# Altium PCB PCB2.PcbDoc (part 13 of 16) (continued)
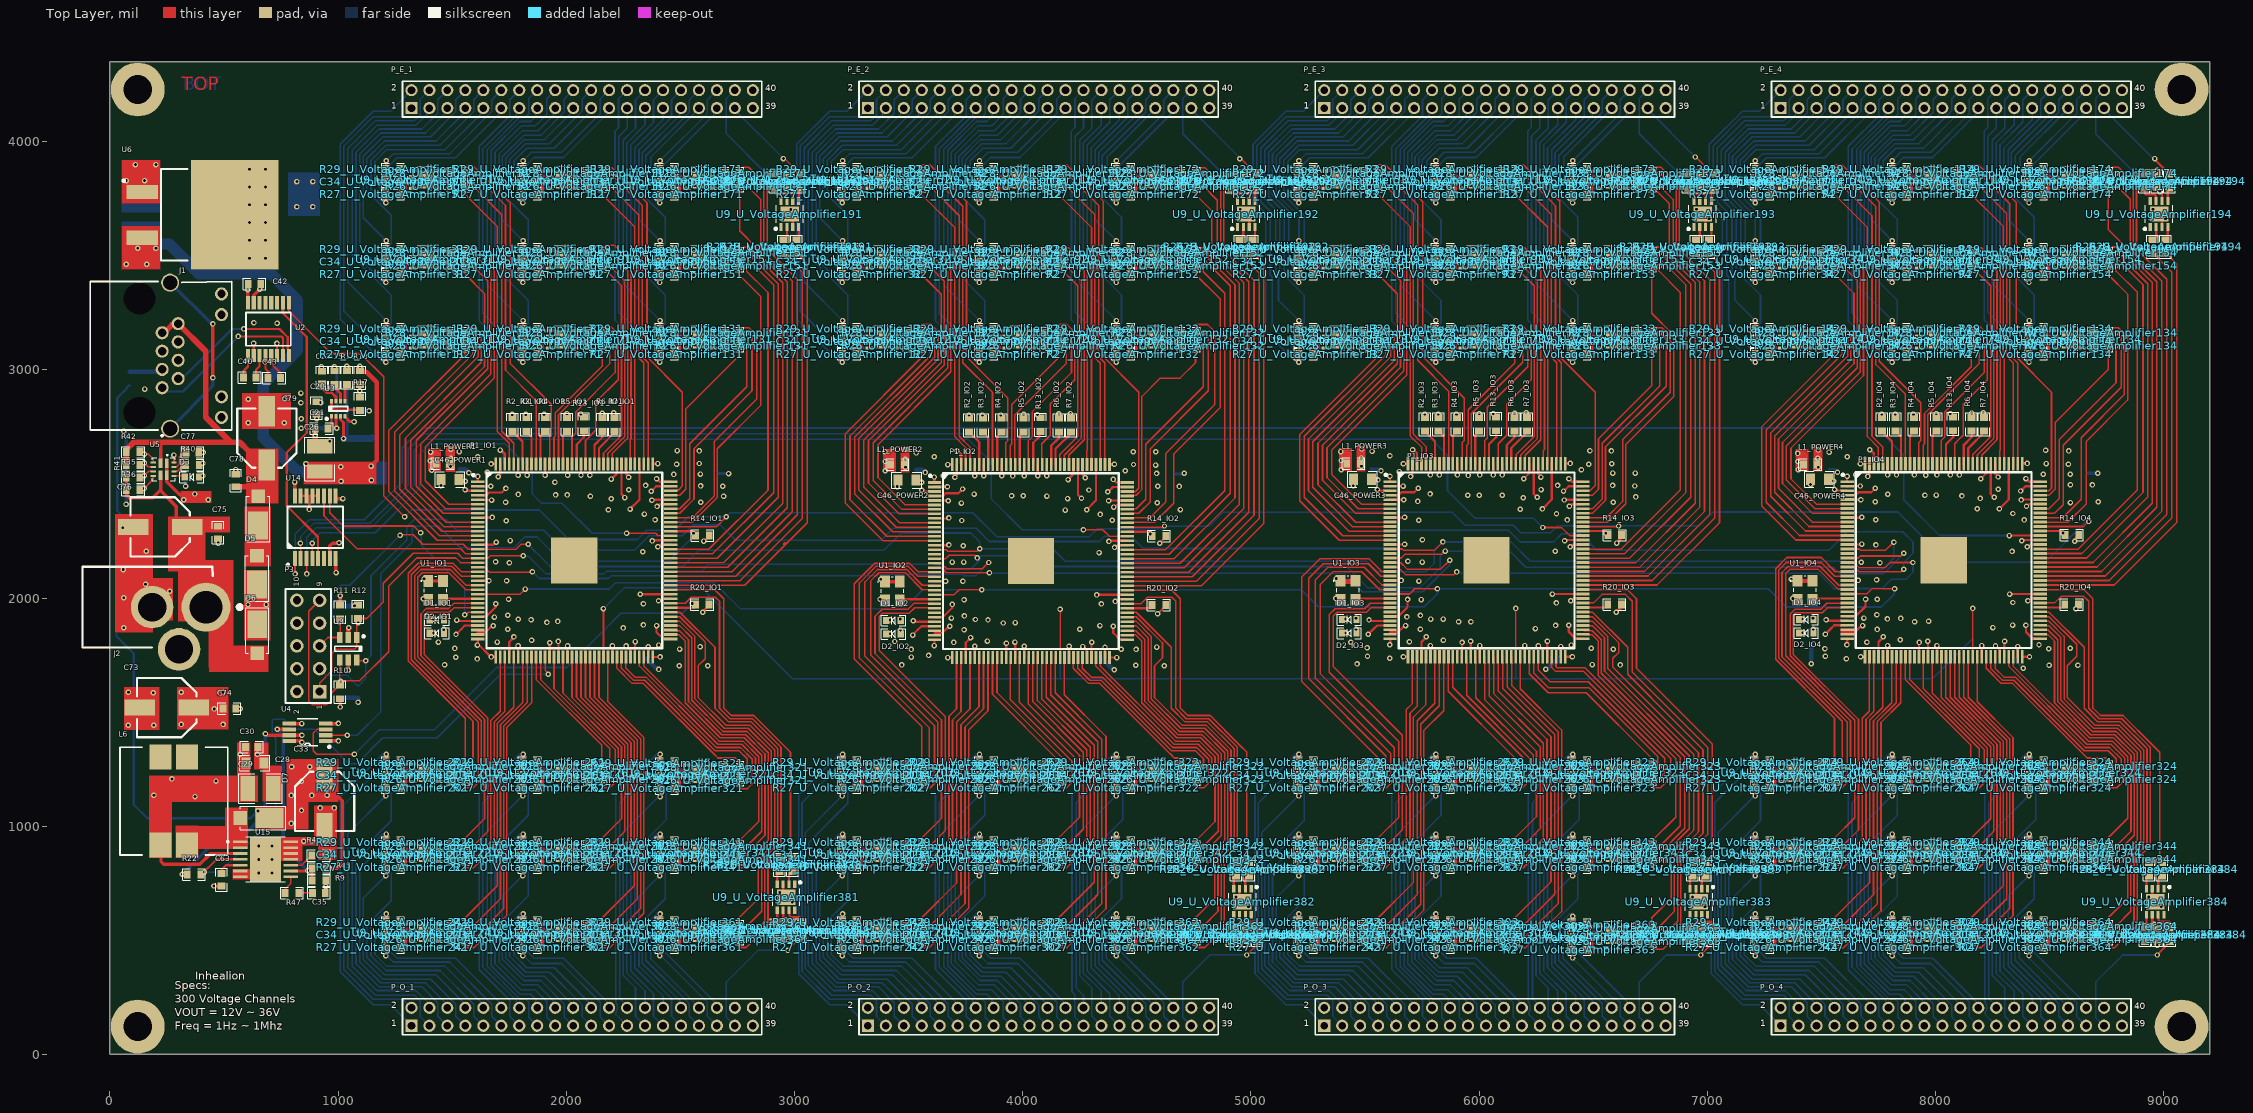
[diagram p0: Top Layer view]
## Nets (pads, with @x,y where several pads share a name; then routed paths per layer and width w, separated by ;. In a path a pad name is that pad's centre, name@x,y a point inside that pad or via, vN(x,y) a via of type N, cw(c..) or ccw(c..) an arc to the next point about the centre after c; other vN are vias at no path point) (continued)
  Top Layer w10: R29_U_VoltageAmplifier323.2@6410.09,1279.18 6410.55,1279.64 v1(6410.55,1315.72)
  Bottom Layer w7: P_O_3.25@6266.14,125.59 6217.32,174.41 6217.32,182.43 ccw(c6187.4,204.33) 6224.48,204.33 ccw(c6179.5,204.33) 6215.79,230.89 6215.79,1135.06 6396.03,1315.29 6406.38,1315.29 v1@6409.63,1318.54
V_OUT215: P_O_3.26 R27_U_VoltageAmplifier333.2 | length 1161.3
  Bottom Layer w7: P_O_3.26@6266.14,204.33 6266.14,212.98 6234.12,245 6234.12,1103.54 R27_U_VoltageAmplifier333.2@6410.09,1279.5
V_OUT216: P_O_3.28 R29_U_VoltageAmplifier333.2 | length 1081.7
  Bottom Layer w7: P_O_3.28@6344.88,204.33 6344.88,277.7 6265.48,357.1 6265.48,856.21 6438.69,1029.42 6438.69,1140.9 R29_U_VoltageAmplifier333.2@6410.09,1169.5
V_OUT217: P_O_3.31 R27_U_VoltageAmplifier343.2 | length 811
  Top Layer w10: v1(6409.63,782.64) 6409.63,818.72 R27_U_VoltageAmplifier343.2@6410.09,819.18
  Bottom Layer w7: v1@6410.55,785.46 6318.31,693.22 6318.31,387.39 6460.7,245 6460.7,167.26 P_O_3.31@6502.36,125.59
V_OUT218: P_O_3.29 R29_U_VoltageAmplifier343.2 | length 996.8
  Top Layer w10: R29_U_VoltageAmplifier343.2@6410.09,929.18 6410.55,929.64 v1(6410.55,965.72)
  Bottom Layer w7: v1@6409.63,968.54 6406.38,965.29 6396.03,965.29 6282.57,851.84 6282.57,365.64 6381.96,266.26 6381.96,167.26 P_O_3.29@6423.62,125.59
V_OUT219: P_O_3.30 R27_U_VoltageAmplifier353.2 | length 824.8
  Bottom Layer w7: R27_U_VoltageAmplifier353.2@6410.09,932 6410.09,929.5 6299.66,819.08 6299.66,379.62 6423.62,255.66 P_O_3.30@6423.62,204.33
V_OUT220: P_O_3.32 R29_U_VoltageAmplifier353.2 | length 739.3
  Bottom Layer w7: R29_U_VoltageAmplifier353.2@6410.09,822 6410.09,819.5 6433.05,796.54 6433.05,682.36 6332.31,581.62 6332.31,399.81 6495.86,236.26 6495.86,210.84 P_O_3.32@6502.36,204.33
V_OUT221: P_O_3.35 R27_U_VoltageAmplifier363.2 | length 445.5
  Top Layer w10: v1(6409.63,422.64) 6409.63,458.72 R27_U_VoltageAmplifier363.2@6410.09,459.18
  Bottom Layer w7: v1(6409.63,422.64) 6587.1,245.17 6600.84,245.17 6618.18,227.83 6618.18,167.26 P_O_3.35@6659.84,125.59
V_OUT222: P_O_3.33 R29_U_VoltageAmplifier363.2 | length 657.3
  Top Layer w10: R29_U_VoltageAmplifier363.2@6410.09,569.18 6410.55,569.64 v1(6410.55,605.72)
  Bottom Layer w7: 6409.63,618.54 6406.38,615.29 6396.03,615.29 6348.6,567.87 6348.6,413.03 6539.44,222.19 6539.44,167.26 P_O_3.33@6581.1,125.59
V_OUT223: P_O_3.34 R27_U_VoltageAmplifier373.2 | length 482
  Bottom Layer w7: R27_U_VoltageAmplifier373.2@6410.09,579.5 6366.68,536.09 6366.68,422.15 6581.1,207.72 P_O_3.34@6581.1,204.33
V_OUT224: P_O_3.36 R29_U_VoltageAmplifier373.2 | length 357.4
  Bottom Layer w7: R29_U_VoltageAmplifier373.2@6410.09,472 6410.09,469.5 6651.01,228.57 6651.01,225.65 6656.92,219.74 P_O_3.36@6659.84,219.74
V_OUT225: P_O_3.37 R27_U_VoltageAmplifier383.2 | length 608.3
  Top Layer w7: v1@6971.26,437.09 R27_U_VoltageAmplifier383.2@7028.13,493.96
  Top Layer w10: v1(6971.26,435.59) v1@6971.26,437.09 ; R27_U_VoltageAmplifier383.2@7027.67,494.42 R27_U_VoltageAmplifier383.2@7028.13,493.96
  Bottom Layer w7: P_O_3.37@6738.58,125.59 6701.51,162.67 6701.51,317.16 6819.94,435.59 v1(6971.26,435.59)
V_OUT226: P_E_4.2 R27_U_VoltageAmplifier14.2 | length 1492.2
  Top Layer w10: v1(7209.63,3032.64) 7209.63,3068.72 R27_U_VoltageAmplifier14.2@7210.09,3069.18
  Bottom Layer w7: v1(7209.63,3032.64) 7206.38,3035.89 7196.03,3035.89 7064.82,3167.1 7064.82,3659.77 7009,3715.59 7009,3988.52 7153.96,4133.48 7229.15,4133.48 P_E_4.2@7321.26,4225.59
V_OUT227: P_E_4.4 R29_U_VoltageAmplifier14.2 | length 1364.1
  Top Layer w10: R29_U_VoltageAmplifier14.2@7210.09,3179.18 7210.55,3179.64 v1(7210.55,3215.72)
  Bottom Layer w7: v1(7210.55,3215.72) 7120.97,3305.3 7120.97,3414.11 7108.37,3426.7 7108.37,3671.1 7042.78,3736.69 7042.78,3971.19 7163.71,4092.12 7334.53,4092.12 7359.19,4116.78 7359.19,4184.78 P_E_4.4@7400,4225.59
V_OUT228: P_E_4.3 R27_U_VoltageAmplifier24.2 | length 1289.1
  Bottom Layer w7: R27_U_VoltageAmplifier24.2@7210.09,3179.18 7210.09,3181.68 7233.05,3204.64 7233.05,3327.4 7127.13,3433.32 7127.13,3683.2 7060.97,3749.35 7060.97,3962.66 7169.36,4071.05 7340.45,4071.05 7391.17,4121.76 7391.17,4138.02 P_E_4.3@7400,4146.85
V_OUT229: P_E_4.1 R29_U_VoltageAmplifier24.2 | length 1352.6
  Bottom Layer w7: R29_U_VoltageAmplifier24.2@7210.09,3069.18 7210.09,3071.68 7093.72,3188.05 7093.72,3405.59 7085.39,3413.92 7085.39,3664.44 7025.46,3724.37 7025.46,3980.72 7154.34,4109.61 7284.01,4109.61 P_E_4.1@7321.26,4146.85
V_OUT230: P_E_4.6 R27_U_VoltageAmplifier34.2 | length 1216.1
  Top Layer w10: v1(7209.63,3382.64) 7209.63,3418.72 R27_U_VoltageAmplifier34.2@7210.09,3419.18
  Bottom Layer w7: v1(7209.63,3382.64) 7206.38,3385.89 7196.03,3385.89 7145.88,3436.04 7145.88,3690.45 7078.3,3758.03 7078.3,3953.87 7179.54,4055.11 7367.52,4055.11 7437.07,4124.67 7437.07,4183.93 P_E_4.6@7478.74,4225.59
V_OUT231: P_E_4.8 R29_U_VoltageAmplifier34.2 | length 1046.1
  Top Layer w10: R29_U_VoltageAmplifier34.2@7210.09,3529.18 7210.55,3529.64 v1(7210.55,3565.72)
  Bottom Layer w7: v1(7210.55,3565.72) 7210.55,3671.96 7110.35,3772.15 7110.35,3935.68 7196.37,4021.69 7406.01,4021.69 7515.81,4131.49 7515.81,4183.93 P_E_4.8@7557.48,4225.59
V_OUT232: P_E_4.7 R27_U_VoltageAmplifier44.2 | length 982.6
  Bottom Layer w7: R27_U_VoltageAmplifier44.2@7210.09,3529.18 7210.09,3531.68 7233.05,3554.64 7233.05,3677.4 7125.95,3784.5 7125.95,3925.28 7203.33,4002.66 7429.28,4002.66 7548.65,4122.04 7548.65,4138.02 P_E_4.7@7557.48,4146.85
V_OUT233: P_E_4.5 R29_U_VoltageAmplifier44.2 | length 1049.9
  Bottom Layer w7: R29_U_VoltageAmplifier44.2@7210.09,3419.18 7210.09,3421.68 7165.42,3466.35 7165.42,3694.51 7094.76,3765.17 7094.76,3946.07 7186.32,4037.63 7383.33,4037.63 7466.43,4120.73 7466.43,4122.05 7478.74,4134.36 P_E_4.5@7478.74,4146.85
V_OUT234: P_E_4.10 R27_U_VoltageAmplifier54.2 | length 905.7
  Top Layer w10: v1(7209.63,3732.64) 7209.63,3768.72 R27_U_VoltageAmplifier54.2@7210.09,3769.18
  Bottom Layer w7: v1(7209.63,3732.64) 7206.38,3735.89 7196.03,3735.89 7144.14,3787.78 7144.14,3918.35 7209.43,3983.64 7446.7,3983.64 7594.56,4131.49 7594.56,4183.93 P_E_4.10@7636.22,4225.59
V_OUT235: P_E_4.12 R29_U_VoltageAmplifier54.2 | length 700.2
  Top Layer w10: R29_U_VoltageAmplifier54.2@7210.09,3879.18 7210.55,3879.64 v1(7210.55,3915.72)
  Bottom Layer w7: v1(7210.55,3915.72) 7240.93,3946.11 7487.91,3946.11 7673.3,4131.49 7673.3,4183.93 P_E_4.12@7714.96,4225.59
V_OUT236: P_E_4.11 R27_U_VoltageAmplifier64.2 | length 627.1
  Bottom Layer w7: R27_U_VoltageAmplifier64.2@7210.09,3879.18 7210.09,3881.68 7257.9,3929.5 7514.49,3929.5 7706.13,4121.14 7706.13,4138.02 P_E_4.11@7714.96,4146.85
V_OUT237: P_E_4.9 R29_U_VoltageAmplifier64.2 | length 744.5
  Bottom Layer w7: R29_U_VoltageAmplifier64.2@7210.09,3769.18 7210.09,3771.68 7161.46,3820.3 7161.46,3913.15 7212.42,3964.11 7468.64,3964.11 7624.59,4120.05 7624.59,4122.73 7636.22,4134.36 P_E_4.9@7636.22,4146.85
V_OUT238: P_E_4.14 R27_U_VoltageAmplifier74.2 | length 1387.9
  Top Layer w10: v1(7809.63,3032.64) 7809.63,3068.72 R27_U_VoltageAmplifier74.2@7810.09,3069.18
  Bottom Layer w7: P_E_4.14@7793.7,4225.59 7752.04,4183.93 7752.04,4113.87 7617.95,3979.78 7617.95,3213.97 7796.03,3035.89 7806.38,3035.89 v1(7809.63,3032.64)
V_OUT239: P_E_4.16 R29_U_VoltageAmplifier74.2 | length 1216.5
  Top Layer w10: R29_U_VoltageAmplifier74.2@7810.09,3179.18 7810.55,3179.64 v1(7810.55,3215.72)
  Bottom Layer w7: v1(7810.55,3215.72) 7654.17,3372.1 7654.17,3965.78 7796.31,4107.93 7821.41,4107.93 7835.37,4121.88 7835.37,4188.52 P_E_4.16@7872.44,4225.59
V_OUT240: P_E_4.15 R27_U_VoltageAmplifier84.2 | length 1145
  Bottom Layer w7: R27_U_VoltageAmplifier84.2@7810.09,3179.18 7810.09,3181.68 7833.05,3204.64 7833.05,3303.7 7671.17,3465.57 7671.17,3962.17 7797.02,4088.02 7843.69,4088.02 7865.44,4109.78 P_E_4.15@7865.44,4139.85
V_OUT241: P_E_4.13 R29_U_VoltageAmplifier84.2 | length 1216.6
  Bottom Layer w7: P_E_4.13@7793.7,4146.85 7793.7,4134.36 7781.41,4122.07 7781.41,4115.19 7634.21,3967.99 7634.21,3247.56 7810.09,3071.68 R29_U_VoltageAmplifier84.2@7810.09,3069.18
V_OUT242: P_E_4.18 R27_U_VoltageAmplifier94.2 | length 1081.8
  Top Layer w10: v1(7809.63,3382.64) 7809.63,3418.72 R27_U_VoltageAmplifier94.2@7810.09,3419.18
  Bottom Layer w7: v1(7809.63,3382.64) 7806.38,3385.89 7796.03,3385.89 7687.43,3494.49 7687.43,3953.97 7802.17,4068.71 7864.03,4068.71 7913.78,4118.46 7913.78,4188.19 P_E_4.18@7951.18,4225.59
V_OUT243: P_E_4.20 R29_U_VoltageAmplifier94.2 | length 907.5
  Top Layer w10: R29_U_VoltageAmplifier94.2@7810.09,3529.18 7810.55,3529.64 v1(7810.55,3565.72)
  Bottom Layer w7: v1(7810.55,3565.72) 7719.17,3657.1 7719.17,3933.55 7812.88,4027.26 7888.55,4027.26 7990.07,4128.79 7990.07,4185.74 P_E_4.20@8029.92,4225.59
V_OUT244: P_E_4.19 R27_U_VoltageAmplifier104.2 | length 842.6
  Bottom Layer w7: R27_U_VoltageAmplifier104.2@7810.09,3529.18 7810.09,3531.68 7833.05,3554.64 7833.05,3657.37 7734.74,3755.68 7734.74,3928.51 7815.05,4008.82 7904.49,4008.82 8017,4121.34 8017,4121.45 8029.92,4134.36 P_E_4.19@8029.92,4146.85
V_OUT245: P_E_4.17 R29_U_VoltageAmplifier104.2 | length 913.3
  Bottom Layer w7: R29_U_VoltageAmplifier104.2@7810.09,3419.18 7810.09,3421.68 7705.17,3526.6 7705.17,3945.95 7806.03,4046.81 7874.79,4046.81 7943.79,4115.81 7943.79,4139.46 P_E_4.17@7951.18,4146.85
V_OUT246: P_E_4.22 R27_U_VoltageAmplifier114.2 | length 769.6
  Top Layer w10: v1(7809.63,3732.64) 7809.63,3768.72 R27_U_VoltageAmplifier114.2@7810.09,3769.18
  Bottom Layer w7: v1(7809.63,3732.64) 7806.38,3735.89 7796.03,3735.89 7751,3780.92 7751,3920.31 7822.13,3991.43 7926.94,3991.43 8070.58,4135.08 8070.58,4187.51 P_E_4.22@8108.66,4225.59
V_OUT247: P_E_4.24 R29_U_VoltageAmplifier114.2 | length 579.5
  Top Layer w10: R29_U_VoltageAmplifier114.2@7810.09,3879.18 7810.55,3879.64 v1(7810.55,3915.72)
  Bottom Layer w7: v1(7810.55,3915.72) 7847.62,3952.8 7978.69,3952.8 8148.68,4122.79 8148.68,4186.87 P_E_4.24@8187.4,4225.59
V_OUT248: P_E_4.23 R27_U_VoltageAmplifier124.2 | length 499.7
  Bottom Layer w7: R27_U_VoltageAmplifier124.2@7810.09,3879.18 7810.09,3881.68 7858.67,3930.26 7988,3930.26 8178.57,4120.83 8178.57,4138.02 P_E_4.23@8187.4,4146.85
V_OUT249: P_E_4.21 R29_U_VoltageAmplifier124.2 | length 605.2
  Bottom Layer w7: R29_U_VoltageAmplifier124.2@7810.09,3769.18 7810.09,3771.68 7770.59,3811.18 7770.59,3916.07 7825.99,3971.47 7947.5,3971.47 8096.56,4120.52 8096.56,4122.26 8108.66,4134.36 P_E_4.21@8108.66,4146.85
V_OUT250: P_E_4.26 R27_U_VoltageAmplifier134.2 | length 1339
  Top Layer w10: v1(8409.63,3032.64) 8409.63,3068.72 R27_U_VoltageAmplifier134.2@8410.09,3069.18
  Bottom Layer w7: P_E_4.26@8266.14,4225.59 8229.07,4188.52 8229.07,4061.79 8213.43,4046.15 8213.43,3871.66 8213.59,3871.5 8213.59,3445.86 8213.43,3445.71 8213.43,3218.49 8396.03,3035.89 8406.38,3035.89 v1(8409.63,3032.64)
V_OUT251: P_E_4.28 R29_U_VoltageAmplifier134.2 | length 1153.1
  Top Layer w10: R29_U_VoltageAmplifier134.2@8410.09,3179.18 8410.55,3179.64 v1(8410.55,3215.72)
  Bottom Layer w7: P_E_4.28@8344.88,4225.59 8303.22,4183.93 8303.22,4059.79 8249.17,4005.74 8249.17,3377.1 v1(8410.55,3215.72)
V_OUT252: P_E_4.27 R27_U_VoltageAmplifier144.2 | length 1079.5
  Bottom Layer w7: P_E_4.27@8344.88,4146.85 8344.88,4073.49 8265.48,3994.09 8265.48,3494.97 8433.05,3327.4 8433.05,3204.64 8410.09,3181.68 R27_U_VoltageAmplifier144.2@8410.09,3179.18
V_OUT253: P_E_4.25 R29_U_VoltageAmplifier144.2 | length 1167.4
  Bottom Layer w7: P_E_4.25@8266.14,4146.85 8266.14,4059.71 8229.74,4023.31 8229.74,3252.02 8410.09,3071.68 R29_U_VoltageAmplifier144.2@8410.09,3069.18
V_OUT254: P_E_4.30 R27_U_VoltageAmplifier154.2 | length 996.8
  Top Layer w10: v1(8409.63,3382.64) 8409.63,3418.72 R27_U_VoltageAmplifier154.2@8410.09,3419.18
  Bottom Layer w7: v1(8409.63,3382.64) 8406.38,3385.89 8396.03,3385.89 8282.57,3499.35 8282.57,3985.54 8381.96,4084.93 8381.96,4183.93 P_E_4.30@8423.62,4225.59
V_OUT255: P_E_4.32 R29_U_VoltageAmplifier154.2 | length 811
  Top Layer w10: R29_U_VoltageAmplifier154.2@8410.09,3529.18 8410.55,3529.64 v1(8410.55,3565.72)
  Bottom Layer w7: v1(8410.55,3565.72) 8318.31,3657.96 8318.31,3963.79 8460.7,4106.18 8460.7,4183.93 P_E_4.32@8502.36,4225.59
V_OUT256: P_E_4.31 R27_U_VoltageAmplifier164.2 | length 739.3
  Bottom Layer w7: R27_U_VoltageAmplifier164.2@8410.09,3529.18 8410.09,3531.68 8433.05,3554.64 8433.05,3668.82 8332.31,3769.56 8332.31,3951.38 8495.86,4114.93 8495.86,4140.34 P_E_4.31@8502.36,4146.85
V_OUT257: P_E_4.29 R29_U_VoltageAmplifier164.2 | length 824.8
  Bottom Layer w7: R29_U_VoltageAmplifier164.2@8410.09,3419.18 8410.09,3421.68 8299.66,3532.1 8299.66,3971.56 8423.62,4095.52 P_E_4.29@8423.62,4146.85
V_OUT258: P_E_4.34 R27_U_VoltageAmplifier174.2 | length 657.3
  Top Layer w10: v1(8409.63,3732.64) 8409.63,3768.72 R27_U_VoltageAmplifier174.2@8410.09,3769.18
  Bottom Layer w7: v1(8409.63,3732.64) 8406.38,3735.89 8396.03,3735.89 8348.6,3783.31 8348.6,3938.15 8539.44,4128.99 8539.44,4183.93 P_E_4.34@8581.1,4225.59
V_OUT259: P_E_4.36 R29_U_VoltageAmplifier174.2 | length 449.9
  Top Layer w10: R29_U_VoltageAmplifier174.2@8410.09,3879.18 8410.55,3879.64 v1(8410.55,3915.72)
  Bottom Layer w7: v1(8410.55,3915.72) 8618.18,4123.35 8618.18,4183.93 P_E_4.36@8659.84,4225.59
V_OUT260: P_E_4.35 R27_U_VoltageAmplifier184.2 | length 357.4
  Bottom Layer w7: R27_U_VoltageAmplifier184.2@8410.09,3879.18 8410.09,3881.68 8651.01,4122.61 8651.01,4125.53 8656.92,4131.44 P_E_4.35@8659.84,4131.44
V_OUT261: P_E_4.33 R29_U_VoltageAmplifier184.2 | length 481.2
  Bottom Layer w7: R29_U_VoltageAmplifier184.2@8410.09,3769.18 8410.09,3771.68 8370.59,3811.18 8370.59,3932.95 8581.1,4143.46 P_E_4.33@8581.1,4146.85
V_OUT262: P_E_4.38 R27_U_VoltageAmplifier194.2 | length 493.7
  Top Layer w10: v1(8878.31,3857.22) 8914.39,3857.22 R27_U_VoltageAmplifier194.2@8914.85,3856.76
  Bottom Layer w7: P_E_4.38@8738.58,4225.59 8701.51,4188.52 8701.51,4034.02 v1(8878.31,3857.22)
V_OUT263: P_E_4.37 R29_U_VoltageAmplifier194.2 | length 400.5
  Top Layer w10: v1(8961.26,3925.59) 8961.26,3920.35 R29_U_VoltageAmplifier194.2@9024.85,3856.76
  Bottom Layer w7: P_E_4.37@8738.58,4146.85 8738.58,4141.36 8947.36,3932.58 v1@8950.58,3929.36
V_OUT264: P_O_4.3 R27_U_VoltageAmplifier204.2 | length 1360.6
  Top Layer w10: v1(7209.63,1132.64) 7209.63,1168.72 R27_U_VoltageAmplifier204.2@7210.09,1169.18
  Bottom Layer w7: v1@7210.55,1135.46 7047.82,972.73 7047.82,858.35 7046.97,857.51 7046.97,382.73 7047.82,381.88 7047.82,374.95 7163.71,259.06 7334.53,259.06 7359.19,234.4 7359.19,166.4 P_O_4.3@7400,125.59
V_OUT265: P_O_4.1 R29_U_VoltageAmplifier204.2 | length 1484.8
  Top Layer w10: R29_U_VoltageAmplifier204.2@7210.09,1279.18 7210.55,1279.64 v1(7210.55,1315.72)
  Bottom Layer w7: v1@7209.63,1318.54 7206.38,1315.29 7196.03,1315.29 7017.93,1137.2 7017.93,353.72 7153.96,217.7 7229.15,217.7 P_O_4.1@7321.26,125.59
V_OUT266: P_O_4.2 R27_U_VoltageAmplifier214.2 | length 1344
  Bottom Layer w7: R27_U_VoltageAmplifier214.2@7210.09,1279.5 7032.88,1102.29 7032.88,363.04 7154.34,241.58 7284.01,241.58 P_O_4.2@7321.26,204.33
V_OUT267: P_O_4.4 R29_U_VoltageAmplifier214.2 | length 1289.1
  Bottom Layer w7: R29_U_VoltageAmplifier214.2@7210.09,1172 7210.09,1169.5 7233.05,1146.54 7233.05,1023.78 7060.97,851.71 7060.97,388.53 7169.36,280.14 7340.45,280.14 7391.17,229.42 7391.17,213.16 P_O_4.4@7400,204.33
V_OUT268: P_O_4.7 R27_U_VoltageAmplifier224.2 | length 1046.1
  Top Layer w10: v1(7209.63,782.64) 7209.63,818.72 R27_U_VoltageAmplifier224.2@7210.09,819.18
  Bottom Layer w7: v1@7210.55,785.46 7110.35,685.27 7110.35,415.51 7196.37,329.49 7406.01,329.49 7515.81,219.69 7515.81,167.26 P_O_4.7@7557.48,125.59
V_OUT269: P_O_4.5 R29_U_VoltageAmplifier224.2 | length 1216.1
  Top Layer w10: R29_U_VoltageAmplifier224.2@7210.09,929.18 7210.55,929.64 v1(7210.55,965.72)
  Bottom Layer w7: v1@7209.63,968.54 7206.38,965.29 7196.03,965.29 7078.3,847.56 7078.3,397.31 7179.54,296.07 7367.52,296.07 7437.07,226.51 7437.07,167.26 P_O_4.5@7478.74,125.59
V_OUT270: P_O_4.6 R27_U_VoltageAmplifier234.2 | length 1049.9
  Bottom Layer w7: R27_U_VoltageAmplifier234.2@7210.09,932 7210.09,929.5 7094.76,814.17 7094.76,405.11 7186.32,313.56 7383.33,313.56 7466.43,230.45 7466.43,229.13 7478.74,216.82 P_O_4.6@7478.74,204.33
V_OUT271: P_O_4.8 R29_U_VoltageAmplifier234.2 | length 982.6
  Bottom Layer w7: R29_U_VoltageAmplifier234.2@7210.09,822 7210.09,819.5 7233.05,796.54 7233.05,673.78 7125.95,566.68 7125.95,425.9 7203.33,348.52 7429.28,348.52 7548.65,229.14 7548.65,213.16 P_O_4.8@7557.48,204.33
V_OUT272: P_O_4.11 R27_U_VoltageAmplifier244.2 | length 700.2
  Top Layer w10: v1(7209.63,432.64) 7209.63,468.72 R27_U_VoltageAmplifier244.2@7210.09,469.18
  Bottom Layer w7: v1@7210.55,435.46 7240.93,405.07 7487.91,405.07 7673.3,219.69 7673.3,167.26 P_O_4.11@7714.96,125.59
V_OUT273: P_O_4.9 R29_U_VoltageAmplifier244.2 | length 905.7
  Top Layer w10: R29_U_VoltageAmplifier244.2@7210.09,579.18 7210.55,579.64 v1(7210.55,615.72)
  Bottom Layer w7: v1@7209.63,618.54 7206.38,615.29 7196.03,615.29 7144.14,563.4 7144.14,432.83 7209.43,367.54 7446.7,367.54 7594.56,219.69 7594.56,167.26 P_O_4.9@7636.22,125.59
V_OUT274: P_O_4.10 R27_U_VoltageAmplifier254.2 | length 744.5
  Bottom Layer w7: R27_U_VoltageAmplifier254.2@7210.09,582 7210.09,579.5 7161.46,530.88 7161.46,438.03 7212.42,387.08 7468.64,387.08 7624.59,231.13 7624.59,228.45 7636.22,216.82 P_O_4.10@7636.22,204.33
V_OUT275: P_O_4.12 R29_U_VoltageAmplifier254.2 | length 627.1
  Bottom Layer w7: R29_U_VoltageAmplifier254.2@7210.09,472 7210.09,469.5 7257.9,421.69 7514.49,421.69 7706.13,230.04 7706.13,213.16 P_O_4.12@7714.96,204.33
V_OUT276: P_O_4.15 R27_U_VoltageAmplifier264.2 | length 1216.5
  Top Layer w10: v1(7809.63,1132.64) 7809.63,1168.72 R27_U_VoltageAmplifier264.2@7810.09,1169.18
  Bottom Layer w7: v1@7810.55,1135.46 7654.17,979.08 7654.17,385.4 7796.31,243.25 7821.41,243.25 7835.37,229.3 7835.37,162.67 P_O_4.15@7872.44,125.59
V_OUT277: P_O_4.13 R29_U_VoltageAmplifier264.2 | length 1387.9
  Top Layer w10: R29_U_VoltageAmplifier264.2@7810.09,1279.18 7810.55,1279.64 v1(7810.55,1315.72)
  Bottom Layer w7: P_O_4.13@7793.7,125.59 7752.04,167.26 7752.04,237.31 7617.95,371.4 7617.95,1137.21 7796.03,1315.29 7806.38,1315.29 v1@7809.63,1318.54
V_OUT278: P_O_4.14 R27_U_VoltageAmplifier274.2 | length 1216.6
  Bottom Layer w7: P_O_4.14@7793.7,204.33 7793.7,216.82 7781.41,229.11 7781.41,235.99 7634.21,383.19 7634.21,1103.62 7810.09,1279.5 R27_U_VoltageAmplifier274.2@7810.09,1282
V_OUT279: P_O_4.16 R29_U_VoltageAmplifier274.2 | length 1145
  Bottom Layer w7: R29_U_VoltageAmplifier274.2@7810.09,1172 7810.09,1169.5 7833.05,1146.54 7833.05,1047.49 7671.17,885.61 7671.17,389.01 7797.02,263.16 7843.69,263.16 7865.44,241.41 P_O_4.16@7865.44,211.33
V_OUT280: P_O_4.19 R27_U_VoltageAmplifier284.2 | length 907.5
  Top Layer w10: v1(7809.63,782.64) 7809.63,818.72 R27_U_VoltageAmplifier284.2@7810.09,819.18
  Bottom Layer w7: v1@7810.55,785.46 7719.17,694.08 7719.17,417.63 7812.88,323.92 7888.55,323.92 7990.07,222.39 7990.07,165.44 P_O_4.19@8029.92,125.59
V_OUT281: P_O_4.17 R29_U_VoltageAmplifier284.2 | length 1081.8
  Top Layer w10: R29_U_VoltageAmplifier284.2@7810.09,929.18 7810.55,929.64 v1(7810.55,965.72)
  Bottom Layer w7: v1@7809.63,968.54 7806.38,965.29 7796.03,965.29 7687.43,856.69 7687.43,397.21 7802.17,282.48 7864.03,282.48 7913.78,232.72 7913.78,163 P_O_4.17@7951.18,125.59
V_OUT282: P_O_4.18 R27_U_VoltageAmplifier294.2 | length 913.3
  Bottom Layer w7: R27_U_VoltageAmplifier294.2@7810.09,932 7810.09,929.5 7705.17,824.58 7705.17,405.23 7806.03,304.37 7874.79,304.37 7943.79,235.37 7943.79,211.72 P_O_4.18@7951.18,204.33
V_OUT283: P_O_4.20 R29_U_VoltageAmplifier294.2 | length 842.6
  Bottom Layer w7: R29_U_VoltageAmplifier294.2@7810.09,822 7810.09,819.5 7833.05,796.54 7833.05,693.81 7734.74,595.51 7734.74,422.67 7815.05,342.36 7904.49,342.36 8017,229.85 8017,229.74 8029.92,216.82 P_O_4.20@8029.92,204.33
V_OUT284: P_O_4.23 R27_U_VoltageAmplifier304.2 | length 579.5
  Top Layer w10: v1(7809.63,432.64) 7809.63,468.72 R27_U_VoltageAmplifier304.2@7810.09,469.18
  Bottom Layer w7: v1@7810.55,435.46 7847.62,398.38 7978.69,398.38 8148.68,228.39 8148.68,164.31 P_O_4.23@8187.4,125.59
V_OUT285: P_O_4.21 R29_U_VoltageAmplifier304.2 | length 769.6
  Top Layer w10: R29_U_VoltageAmplifier304.2@7810.09,579.18 7810.55,579.64 v1(7810.55,615.72)
  Bottom Layer w7: v1@7809.63,618.54 7806.38,615.29 7796.03,615.29 7751,570.26 7751,430.87 7822.13,359.75 7926.94,359.75 8070.58,216.1 8070.58,163.67 P_O_4.21@8108.66,125.59
V_OUT286: P_O_4.22 R27_U_VoltageAmplifier314.2 | length 605.2
  Bottom Layer w7: R27_U_VoltageAmplifier314.2@7810.09,582 7810.09,579.5 7770.59,540 7770.59,435.11 7825.99,379.71 7947.5,379.71 8096.56,230.66 8096.56,228.92 8108.66,216.82 P_O_4.22@8108.66,204.33
V_OUT287: P_O_4.24 R29_U_VoltageAmplifier314.2 | length 499.7
  Bottom Layer w7: R29_U_VoltageAmplifier314.2@7810.09,472 7810.09,469.5 7858.67,420.92 7988,420.92 8178.57,230.35 8178.57,213.16 P_O_4.24@8187.4,204.33
V_OUT288: P_O_4.27 R27_U_VoltageAmplifier324.2 | length 1153.1
  Top Layer w10: v1(8409.63,1132.64) 8409.63,1168.72 R27_U_VoltageAmplifier324.2@8410.09,1169.18
  Bottom Layer w7: P_O_4.27@8344.88,125.59 8303.22,167.26 8303.22,291.39 8249.17,345.44 8249.17,974.08 v1@8410.55,1135.46
V_OUT289: P_O_4.25 R29_U_VoltageAmplifier324.2 | length 1339.6
  Top Layer w10: R29_U_VoltageAmplifier324.2@8410.09,1279.18 8410.55,1279.64 v1(8410.55,1315.72)
  Bottom Layer w7: P_O_4.25@8266.14,125.59 8217.32,174.41 8217.32,182.43 ccw(c8187.4,204.33) 8224.48,204.33 ccw(c8179.5,204.33) 8215.79,230.89 8215.79,1135.06 8396.03,1315.29 8406.38,1315.29 v1@8409.63,1318.54
V_OUT290: P_O_4.26 R27_U_VoltageAmplifier334.2 | length 1161.3
  Bottom Layer w7: P_O_4.26@8266.14,204.33 8266.14,212.98 8234.12,245 8234.12,1103.54 R27_U_VoltageAmplifier334.2@8410.09,1279.5
V_OUT291: P_O_4.28 R29_U_VoltageAmplifier334.2 | length 1081.7
  Bottom Layer w7: P_O_4.28@8344.88,204.33 8344.88,277.7 8265.48,357.1 8265.48,856.21 8438.69,1029.42 8438.69,1140.9 R29_U_VoltageAmplifier334.2@8410.09,1169.5
V_OUT292: P_O_4.31 R27_U_VoltageAmplifier344.2 | length 811
  Top Layer w10: v1(8409.63,782.64) 8409.63,818.72 R27_U_VoltageAmplifier344.2@8410.09,819.18
  Bottom Layer w7: v1@8410.55,785.46 8318.31,693.22 8318.31,387.39 8460.7,245 8460.7,167.26 P_O_4.31@8502.36,125.59
V_OUT293: P_O_4.29 R29_U_VoltageAmplifier344.2 | length 996.8
  Top Layer w10: R29_U_VoltageAmplifier344.2@8410.09,929.18 8410.55,929.64 v1(8410.55,965.72)
  Bottom Layer w7: v1@8409.63,968.54 8406.38,965.29 8396.03,965.29 8282.57,851.84 8282.57,365.64 8381.96,266.26 8381.96,167.26 P_O_4.29@8423.62,125.59
V_OUT294: P_O_4.30 R27_U_VoltageAmplifier354.2 | length 824.8
  Bottom Layer w7: R27_U_VoltageAmplifier354.2@8410.09,932 8410.09,929.5 8299.66,819.08 8299.66,379.62 8423.62,255.66 P_O_4.30@8423.62,204.33
V_OUT295: P_O_4.32 R29_U_VoltageAmplifier354.2 | length 739.3
  Bottom Layer w7: R29_U_VoltageAmplifier354.2@8410.09,822 8410.09,819.5 8433.05,796.54 8433.05,682.36 8332.31,581.62 8332.31,399.81 8495.86,236.26 8495.86,210.84 P_O_4.32@8502.36,204.33
V_OUT296: P_O_4.35 R27_U_VoltageAmplifier364.2 | length 445.5
  Top Layer w10: v1(8409.63,432.64) 8409.63,468.72 R27_U_VoltageAmplifier364.2@8410.09,469.18
  Bottom Layer w7: v1@8409.63,422.64 8587.1,245.17 8600.84,245.17 8618.18,227.83 8618.18,167.26 P_O_4.35@8659.84,125.59
V_OUT297: P_O_4.33 R29_U_VoltageAmplifier364.2 | length 657.3
  Top Layer w10: R29_U_VoltageAmplifier364.2@8410.09,579.18 8410.55,579.64 v1(8410.55,615.72)
  Bottom Layer w7: v1@8409.63,618.54 8406.38,615.29 8396.03,615.29 8348.6,567.87 8348.6,413.03 8539.44,222.19 8539.44,167.26 P_O_4.33@8581.1,125.59
V_OUT298: P_O_4.34 R27_U_VoltageAmplifier374.2 | length 482
  Bottom Layer w7: R27_U_VoltageAmplifier374.2@8410.09,579.5 8366.68,536.09 8366.68,422.15 8581.1,207.72 P_O_4.34@8581.1,204.33
V_OUT299: P_O_4.36 R29_U_VoltageAmplifier374.2 | length 357.4
  Bottom Layer w7: R29_U_VoltageAmplifier374.2@8410.09,472 8410.09,469.5 8651.01,228.57 8651.01,225.65 8656.92,219.74 P_O_4.36@8659.84,219.74
V_OUT300: P_O_4.37 R27_U_VoltageAmplifier384.2 | length 608.3
  Top Layer w10: v1(8971.26,435.59) 8971.26,437.09 9028.13,493.96 R27_U_VoltageAmplifier384.2@9027.67,494.42
  Bottom Layer w7: P_O_4.37@8738.58,125.59 8701.51,162.67 8701.51,317.16 8819.94,435.59 v1(8971.26,435.59)
V_SENSE: J1.3 R46.2 R49.2 | length 146.9
  Bottom Layer w20: R46.2@86.26,2990.89 R49.2@151.46,2990.89 217.92,2990.89 J1.3@228.68,3001.65
VCC_3V3: C1_IO1.2 C1_IO2.2 C1_IO3.2 C1_IO4.2 C14.2 C42.2 L1_POWER1.1 L1_POWER2.1 L1_POWER3.1 L1_POWER4.1 L3_POWER1.1 L3_POWER2.1 L3_POWER3.1 L3_POWER4.1 P3.4 R10.1 R11.1 R22.1 U1_IO1.1 U1_IO1.4 U1_IO2.1 U1_IO2.4 U1_IO3.1 U1_IO3.4 U1_IO4.1 U1_IO4.4 U2.16 U4.7 U4.8 U6.4 U8.5 U14.16 | length 1902.6
  Top Layer w15: U2.16@604.59,3294.06 604.59,3374.08 C42.2@606,3375.49 ; v1(681.26,1405.59) 688.76,1398.09 784.96,1398.09 U4.7@785.46,1398.59 840.96,1398.59 v1(841.26,1398.29) ; U4.8@785.46,1373.59 834.26,1373.59 v1@840.26,1367.59 ; U14.16@810.29,2447.61 810.29,2508.52 v1@810.36,2508.59 ; R10.1@1008.36,1558.49 1009.02,1557.83 1009.02,1523 v1(1009.67,1522.34) ; R11.1@1008.46,1968.69 1008.71,1968.95 1008.71,2009.81 v1(1008.97,2010.06) ; v1(1043.43,1683.34) 1043.85,1683.75 1043.85,1728.07 U8.5@1044.26,1728.48 ; U1_IO1.1@1394.98,2074.63 U1_IO1.4@1459.94,2074.63 ; U1_IO2.1@3388.01,2071.39 U1_IO2.4@3452.97,2071.39 ; U1_IO2.1@3396.08,2072.03 U1_IO2.4@3461.04,2072.03 ; U1_IO3.1@5389.11,2068.79 U1_IO3.4@5454.07,2068.79 ; U1_IO3.1@5392.98,2075.48 U1_IO3.4@5457.94,2075.48 ; U1_IO4.1@7386.01,2072.24 U1_IO4.4@7450.97,2072.24 ; U1_IO4.1@7395.98,2075.63 U1_IO4.4@7460.94,2075.63
  Bottom Layer w15: v1(316.76,788.99) 503.36,975.59 601.98,975.59 681.26,1054.87 681.26,1375.59 v1(681.26,1405.59) ; L3_POWER1.1@2664.83,2546.19 2665.36,2545.66 2710.52,2545.66 v1(2711.05,2545.13) ; L3_POWER2.1@4665.93,2543.59 4701.88,2543.59 4704.94,2546.66 v1(4707.38,2546.66) ; L3_POWER4.1@8665.83,2547.19 8666.15,2546.87 8710.84,2546.87 v1(8711.17,2546.54)
  other v1: 841.26,1367.59 3377.56,2081.69 7367.49,2081.91 1376.46,2084.29 5374.46,2085.14 810.36,2508.09 6684.45,2547.65 3397.39,2557.79 1409.94,2560.06 5395.99,2562.05 7398.64,2562.77 3397.19,2598.17 7397.19,2598.17 1404.16,2601.4 5395.57,2602.62 7396.05,2633.37 1405.27,2639.34 3396.09,2641.52 5393.5,2641.85 604.37,3350.96 611.57,3489.37 681.57,3489.37 611.57,3567.37 681.57,3567.37 611.57,3645.37 681.57,3645.37 611.57,3723.37 681.57,3723.37 611.57,3801.37 681.57,3801.37 611.57,3879.37 681.57,3879.37
VCC_5V: C8.2 C25.1 C26.2 C27.2 L4.2 R18.2 U6.3 | length 2191.1
  Top Layer w20: R18.2@1095.16,2995.69 1100.16,2990.69 1123.22,2990.69 1168.49,2945.42 1168.49,2602.69 v1(1144.14,2578.34)
  Bottom Layer w50: 177.17,3551.18 259.84,3551.18 389.33,3421.69 705.16,3421.69 821.26,3305.59 821.26,3085.59 671.26,2935.59 671.26,2704.15 821.26,2554.15 C27.2@919.56,2554.15
  other v1: 1012.67,2511.54 1145.75,2515.81 1011.76,2574.69 858.76,2587.99 1095.36,3014.59 71.73,3462.91 161.73,3462.91 121.73,3532.91 201.73,3532.91